# Allegro board CHIP_v1_0_20151123.brd (continued)
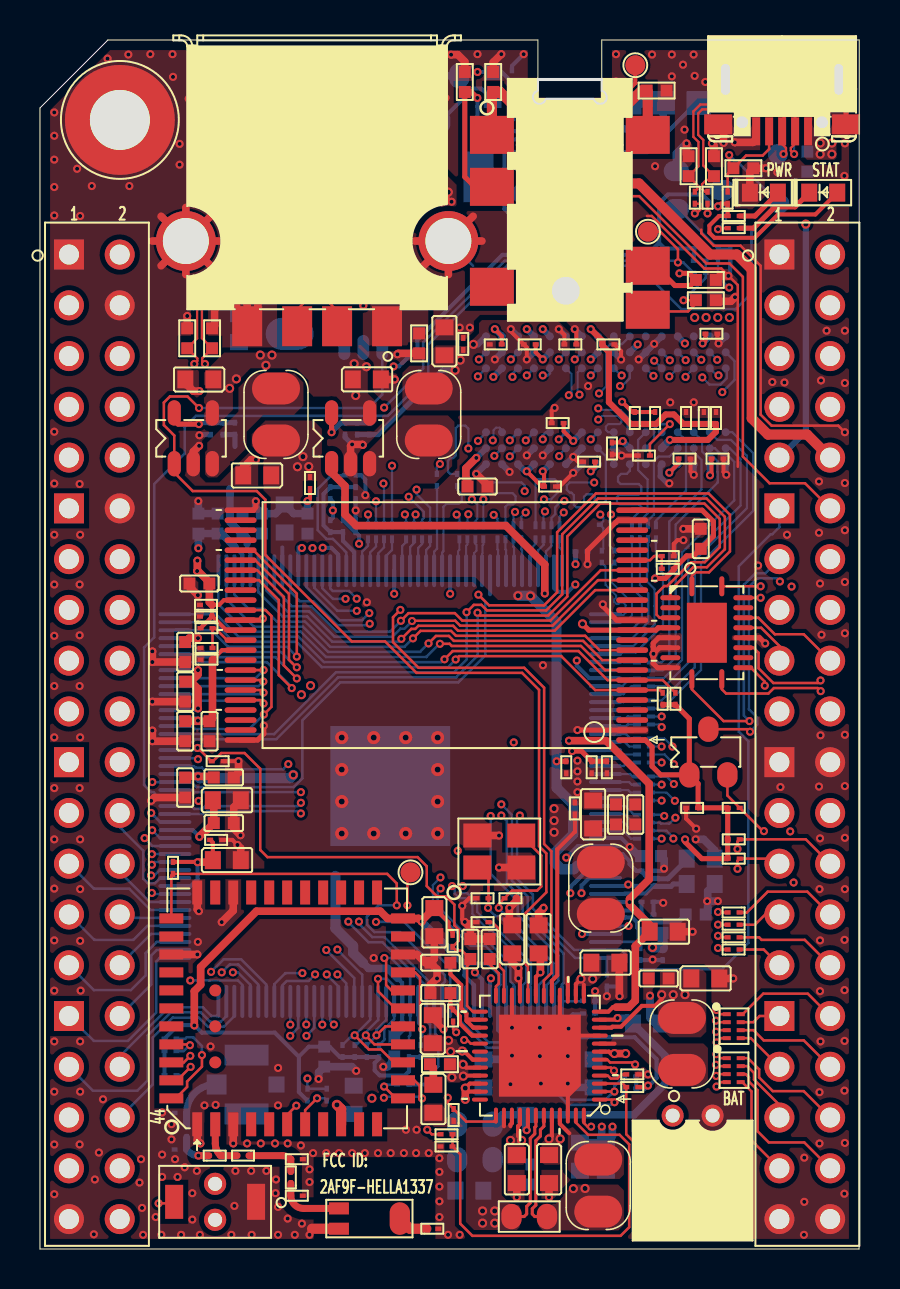
[diagram p0: board, top side]
## Routing (per net, layer and track width the routed paths; a pad name or vN(x,y) marks a point on that pad's centre or on a via; arc(x,y) is an arc through that point) (continued)
VBAT-EXT: length 6
  TOP w0.152: R7.2 24.77,1.63 24.64,1.75 24.64,2.02 24.82,2.2 24.82,5.42 25.05,5.65 25.05,5.97 25.22,6.14 U3.43
  vias: v2(26.7,3.02) v2(27.28,3.03)
VCC-1V8: length 46.9
  TOP w0.203: v1(25.05,13.84) 24.82,13.62 U3.19
  TOP w0.381: v1(25.05,13.84) 25.05,14.7 C76.1
  IN1 w0.381: v1(25.05,13.84) 24.59,14.3 24.59,24.47 v1(23.72,25.35)
  IN2 w0.381: v1(23.72,25.35) 23.72,28.69 23.7,28.7 23.7,28.78 21.14,31.34 21.14,31.34 20.83,31.65 18.39,34.09 17.94,34.09 15.24,36.78 15.24,37.11 14.38,37.97 5.88,37.97 5.47,38.38 3.23,38.38 2.65,38.96 2.65,40.21 1.45,41.4 U13.7
VCC-5V: length 10.6
  BOTTOM w0.254: R54.2 16.24,51.13 15.7,51.66 11.92,51.66 11.67,51.91 C77.1
  BOTTOM w0.508: v3(18.42,51.23) 18.17,50.98 v1(17.94,50.98) 17.94,51.21 17.63,51.51 17.63,52.35 18.9,53.62 C146.1
  vias: v2(9.61,52.3) v2(9.9,52.84) v2(10.19,52.3) v2(12.36,58.17) v2(12.95,58.17) v2(14.61,58.57) v2(15.19,58.57) v2(16.53,58.57)
VCC-WIFI: length 1.1
  TOP w0.508: U9.9 15.07,7 v2(14.86,7.21)
VINT: length 4.7
  TOP w0.203: 21.39,11.38 21.49,11.48 U3.26 ; 21.39,11.38 21.35,11.42 21.35,11.78 21.09,12.04 21.09,13.21 20.55,13.75 C24.1 ; 21.39,11.38 21.69,11.08 U3.27
A0: length 22.1
  IN2 w0.152: v1(31.12,24.34) 31.51,24.73 31.83,24.73 32.26,25.17 32.26,34.7 31.74,35.22 31.74,36.99 30.74,37.99 30.74,42.9 v1(31.5,43.66)
  BOTTOM w0.114: v1(31.5,43.66) 31.52,43.66 U29.N3 ; RN27.8 v1(31.12,24.34)
A1: length 14.3
  BOTTOM w0.114: RN25.6 31.17,28.95 31.82,29.6 31.82,36.25 33.93,38.35 33.93,38.87 33.91,38.89 33.91,39.42 33.65,39.68 33.37,39.68 33.14,39.91 33.14,40.45 U29.P7
A2: length 23
  IN2 w0.152: v1(31.12,23.24) 31.73,23.85 31.95,23.85 32.97,24.87 32.97,36.81 31.96,37.82 31.96,42.91 32.31,43.26 v1(32.31,43.64)
  BOTTOM w0.114: RN28.6 v1(31.12,23.24) ; U29.P3 32.31,43.66 v1(32.31,43.64)
A3: length 24.6
  IN2 w0.152: v1(32.32,44.48) 32.72,44.07 32.72,43.15 32.32,42.75 32.32,37.97 33.33,36.96 33.33,24.72 31.87,23.27 v1(31.73,23.27)
  BOTTOM w0.114: v1(31.73,23.27) 31.36,23.64 RN28.5
  BOTTOM w0.127: U29.N2 v1(32.32,44.48)
A4: length 12.2
  BOTTOM w0.114: RN25.5 31.12,29.35 31.5,29.73 31.5,36.4 33.11,38.01 33.11,39.48 32.73,39.87 U29.P8
A5: length 25.6
  IN2 w0.152: v1(33.1,44.49) 33.56,44.04 33.56,43.43 33.43,43.31 33.43,42.52 33.94,42.01 33.94,38.28 34.04,38.18 34.04,24.43 32.04,22.43 v1(31.78,22.43)
  BOTTOM w0.114: RN28.7 31.36,22.84 31.78,22.42 v1(31.78,22.43)
  BOTTOM w0.127: U29.P2 v1(33.1,44.49)
A6: length 14.4
  BOTTOM w0.114: U29.R8 33.78,40.07 34.17,39.68 34.45,39.68 34.75,39.39 34.75,37.46 32.14,34.84 32.14,29.47 31.22,28.55 RN25.7
A7: length 28.1
  IN2 w0.152: v1(31.7,20.54) 35.11,23.94 35.11,37.63 35.59,38.11 35.59,42.8 v1(33.9,44.49)
  BOTTOM w0.114: U29.R2 33.89,44.5 33.89,44.49 v1(33.9,44.49) ; v1(31.7,20.54) 31.73,20.56 31.36,20.93 RN29.7
A8: length 14.6
  BOTTOM w0.114: RN25.8 31.27,28.15 32.45,29.34 32.45,34.59 35.07,37.2 35.07,39.52 34.52,40.07 U29.T8
A9: length 25.7
  IN2 w0.152: v1(33.96,43.71) 33.96,43.38 33.74,43.15 33.74,42.7 34.88,41.55 34.88,38.4 34.4,37.92 34.4,24.28 32.14,22.02 31.6,22.02 v1(31.25,21.67)
  BOTTOM w0.114: v1(33.96,43.71) 33.88,43.71 U29.R3 ; RN29.5 31.18,21.73 v1(31.25,21.67)
A10: length 5.2
  BOTTOM w0.114: U29.L7 29.94,40.48 29.94,38.98 30.41,38.5 30.41,36.81 30.03,36.43 RN24.6
A11: length 16.9
  BOTTOM w0.114: RN26.5 31.12,27.45 32.77,29.1 32.77,34.45 35.39,37.07 35.39,39.69 34.59,40.48 33.91,40.48 U29.R7
A12: length 5.4
  BOTTOM w0.114: RN24.8 30.83,36.44 32.34,37.95 32.34,40.46 U29.N7
A13: length 25.3
  IN2 w0.152: v1(33.15,43.61) 33.13,43.59 33.13,37.79 33.69,37.24 33.69,24.58 31.97,22.86 31.54,22.86 v1(31.12,22.44)
  BOTTOM w0.114: U29.T3 34.38,44.02 34.38,43.57 34.07,43.26 33.51,43.26 v1(33.15,43.61) ; RN28.8 v1(31.12,22.44)
A14: length 17.1
  BOTTOM w0.114: U29.T7 34.66,40.87 35.7,39.82 35.7,36.94 33.09,34.32 33.09,28.97 31.17,27.05 RN26.6
AP-EINT1: length 36.5
  IN2 w0.127: U14.23 36.58,21.82 35.31,20.55 35.31,18.77 35.17,18.63 30.78,18.63 30.28,19.14 26.53,19.14 25.74,18.35 22.25,18.35 21.09,19.51 20.67,19.51 13.95,19.51 13.47,19.99 13.47,22.48 13.09,22.86 v1(13.06,22.86)
  BOTTOM w0.127: v1(13.06,22.86) 7.72,22.86 7.61,22.96 U1.154
AP-EINT2: length 66.8
  TOP w0.127: U27.1 32.63,33.69 32.8,33.86 33.49,33.86 34.54,34.91 34.54,36.74 33.47,37.81 27.83,37.81 25.89,35.87 25.89,32.86 25.23,32.21 22.48,32.21 v1(21.95,32.74)
  IN1 w0.127: v1(5.63,23.36) 5.59,23.36 5.17,22.95 5.17,21.66 5.4,21.42 5.71,21.42 6.25,20.88 6.25,19.34 7.44,18.16 7.86,18.16 12.94,13.09 12.94,8.99 v1(13.39,8.53)
  BOTTOM w0.127: R63.2 R87.1 v1(13.39,8.53) ; v1(21.95,32.74) 22.3,32.39 22.3,29.71 20.94,28.35 15.03,28.35 13.14,26.46 13.14,23.55 12.7,23.11 7.82,23.11 7.57,23.36 U1.155 v1(5.63,23.36)
AP-EINT3: length 61.7
  IN1 w0.127: U14.24 38.56,20.83 38.56,6.27 37.37,5.08 36.58,5.08 35.74,4.24 21.87,4.24 20.56,5.55 18.15,5.55 17.22,6.49 v1(17.22,7.57) 16.82,7.97 16.82,8.61 15.24,10.19 15.24,11.25 14.83,11.67 14.71,11.67 7.97,18.41 7.54,18.41 6.51,19.45 6.51,20.98 5.67,21.82 v1(5.57,21.82)
  BOTTOM w0.127: v1(17.22,7.57) 17.27,7.62 R62.2 ; v1(5.57,21.82) 5.74,21.65 6.02,21.36 U1.150
AP-UART1-CTS: length 29.7
  TOP w0.127: v1(7.51,10.2) 7.47,10.24 U9.41
  IN2 w0.127: v1(7.51,10.2) 7.68,10.2 10.81,13.33 10.81,24.72 14.74,28.65 14.74,31.97 v1(15.3,32.53)
  BOTTOM w0.127: U1.14 14.13,33.07 14.67,32.53 v1(15.3,32.53) ; v1(7.51,10.2) 7.48,10.2 7.19,9.91 R58.2
AP-UART1-RTS: length 33.3
  TOP w0.127: U9.44 6.79,7.54 7.37,8.11 7.37,8.38 8.11,9.12 v1(8.11,9.7)
  IN2 w0.127: v1(8.11,9.7) 8.11,10.26 11.07,13.22 11.07,24.62 14.99,28.54 14.99,31.66 15.86,32.53 v1(15.86,32.54)
  BOTTOM w0.127: U1.15 14.53,33.05 14.65,32.92 15.47,32.92 v1(15.86,32.54) ; R59.2 7.27,10.52 7.35,10.59 7.67,10.59 8.11,10.16 v1(8.11,9.7)
AP-UART1-RX: length 32
  TOP w0.127: U9.42 7.2,9.34 v1(7.53,9.66)
  IN2 w0.127: v1(15.86,31.93) 15.24,31.32 15.24,28.44 11.33,24.53 11.33,12.37 8.27,9.31 7.94,9.31 7.59,9.66 v1(7.53,9.66)
  BOTTOM w0.127: v1(7.53,9.66) 7.16,9.3 R55.2 ; v1(15.86,31.93) 14.88,31.93 13.73,33.09 U1.13
AP-UART1-TX: length 33.9
  TOP w0.127: U9.43 6.87,8.44 v1(7.54,9.12)
  IN2 w0.127: v1(7.54,9.12) 7.6,9.06 8.38,9.06 11.59,12.27 11.59,24.42 15.5,28.33 15.5,30.84 16.48,31.82 v1(16.48,31.82)
  BOTTOM w0.127: U1.12 13.33,33.13 14.99,31.46 16.13,31.46 16.34,31.68 16.35,31.68 v1(16.48,31.82) ; R56.2 7.11,8.69 v1(7.54,9.12)
AP-WAKE-BT: length 25.5
  TOP w0.127: U3.3 29.17,8.28 R11.1 29.35,5.74 29.9,5.19 v1(29.9,3.84) ; U9.6 12.37,6.72 v1(12.83,7.17)
  IN1 w0.127: v1(12.83,7.17) 13.22,6.78 16.56,6.78 18.05,5.3 20.46,5.3 21.76,3.99 29.75,3.99 v1(29.9,3.84)
BA0: length 23.7
  IN2 w0.152: v1(31.73,24.26) 31.86,24.26 32.62,25.02 32.62,36.62 31.09,38.14 31.09,42.62 31.91,43.43 31.91,44.09 v1(31.53,44.47)
  BOTTOM w0.114: v1(31.73,24.26) 31.73,24.28 31.26,24.74 RN27.7
  BOTTOM w0.127: U29.M2 v1(31.53,44.47)
BA1: length 4.8
  BOTTOM w0.114: U29.N8 31.51,39.65 30.97,39.65 30.73,39.42 30.73,36.75 30.43,36.45 RN24.7
BA2: length 21.5
  IN2 w0.152: v1(31.12,25.14) 31.12,25.32 31.55,25.76 31.55,34.04 30.84,34.75 30.84,36.89 30,37.73 30,43.71 v1(30.74,44.45)
  BOTTOM w0.114: RN27.6 v1(31.12,25.14) ; U29.M3 v1(30.74,44.45)
BAT: length 16.3
  TOP w0.152: U3.42 24.82,6.15 24.77,6.09 24.77,5.77 24.54,5.54 24.54,2.31 24.36,2.13 24.36,1.75 24.24,1.63 R7.1
  TOP w0.203: U3.38 23.22,6.14 ; U3.39 23.62,6.3 23.55,6.23 23.55,6.15
  IN2 w0.508: v2(22.15,1.91) 22.15,3.23 19.99,5.38 17.76,5.38 16.62,6.53 v2(16.62,7.54)
  vias: v2(22.15,1.3) v2(22.76,1.91) v2(22.76,1.3)
BT-RST-N: length 23.2
  TOP w0.127: v1(17.86,17.2) 17.86,18.29 17.38,18.77 R65.1 6.58,18.69 U9.34
  BOTTOM w0.127: U1.104 20.13,13.24 20.27,13.38 20.27,13.7 19.9,14.07 19.8,14.07 18.02,15.86 16.74,15.86 16.36,16.24 16.36,16.63 16.93,17.2 v1(17.86,17.2)
CAS: length 20
  IN2 w0.152: v1(31.12,26.11) 31.08,26.11 30.28,26.91 30.28,32.84 30,33.12 30,36.72 28.71,38.02 28.71,42.86 v1(29.03,43.18)
  BOTTOM w0.114: v1(29.03,43.18) 29.14,43.18 29.53,43.57 U29.K3 ; RN26.8 30.99,26.25 v1(31.12,26.11)
CHG-IN: length 1.8
  TOP w0.203: U3.32 21.34,9.08 v2(21.18,9.24) ; v2(21.19,8.65) 21.22,8.68 U3.33
  vias: v2(20.62,8.59)
CKE: length 6.8
  BOTTOM w0.114: RN24.5 29.63,36.53 30.1,36.99 30.1,37.13 29.97,37.26 29.01,37.26 28.88,37.39 28.88,37.62 29.01,37.74 29.97,37.74 30.1,37.87 30.1,38.15 29.97,38.28 29.06,38.28 28.94,38.4 28.94,38.63 29.09,38.79 29.37,38.79 29.53,38.94 U29.K9
COREVDD: length 34.8
  TOP w0.203: C20.1 26.78,20.88 25.89,19.99 25.89,13.69 25.62,13.42 U3.17
  TOP w0.381: C149.1 8.7,22.41 C296.1 8.37,20.98 8.31,20.98 7.98,20.64 v1(7.98,20.62)
  IN1 w0.381: v1(20.91,19.93) 21.9,18.94 21.9,15.77 22.57,15.09 v1(22.57,13.55)
  BOTTOM w0.203: U1.98 22.53,13.48 22.57,13.53 v1(22.57,13.55) ; v1(29.52,20.12) 29.52,20.14 29.1,20.56 U1.73 ; 22.53,32.76 U1.35 ; v1(7.98,20.62) 7.64,20.96 U1.149 ; 18.13,11.28 U1.109 18.13,13.32 17.91,13.54
  BOTTOM w0.381: v1(29.52,20.12) 29.98,19.66 C154.1 ; 16.17,14.31 16.44,14.04 17.41,14.04 17.91,13.54 ; C150.1 18.13,11.03 18.13,11.28
  BOTTOM w0.508: 14.79,18.67 14.79,16.05 15.68,15.16 15.68,14.81 16.17,14.31
  vias: v2(25.73,22.04) v2(25.73,21.44) v2(25.73,20.85)
CPUVDD: length 26.4
  TOP w0.203: U3.10 28.61,11.08 28.66,11.13 29.09,11.13 30.13,12.17 30.79,12.17 31.12,12.5 v2(31.12,12.73)
  TOP w0.381: v1(7.91,27.05) 7.91,28.03 7.56,28.39 ; C185.1 8.65,23.65 v1(7.92,23.65) 7.33,23.65 C184.1 ; C181.1 7.56,28.39 ; 7.56,28.39 7.91,28.74 v1(7.91,28.96) ; v1(7.91,30.56) 7.46,30.56 C183.1
  BOTTOM w0.203: U1.156 7.8,23.76 v1(7.92,23.65) ; U1.169 v1(7.91,28.96) ; U1.173 v1(7.91,30.56) ; U1.164 7.82,26.96 v1(7.91,27.05) ; 9.78,35.1 10.13,34.76 U1.4 ; U1.11 12.93,35.1 ; v1(14.15,35.09) 14.58,35.09 14.93,34.74 U1.16 ; U1.9 12.13,35.1
  BOTTOM w0.381: v1(7.93,35.06) C186.1 C179.1 9.09,35.8 9.78,35.1
  BOTTOM w0.508: v1(7.92,23.65) 8.01,23.56 12.51,23.56 v2(12.68,23.72)
  vias: v1(13.11,35.08) v1(13.64,35.07) v2(13.09,27.74) v2(13.54,28.19) v2(31.7,12.72) v2(32.29,12.73)
CSI-D0: length 22.2
  TOP w0.127: v1(33.84,11.43) 33.91,11.35 RN1.2
  IN2 w0.127: v1(14.71,11.23) 15.08,11.6 17.17,11.6 18.2,12.62 26.69,12.62 28.16,11.16 33.57,11.16 v1(33.84,11.43)
  BOTTOM w0.127: v1(14.71,11.23) 14.53,11.41 U1.118
CSI-D1: length 22.6
  TOP w0.127: RN1.1 34.07,11.75 v1(33.86,11.96)
  IN2 w0.127: v1(33.86,11.96) 33.85,11.95 27.73,11.95 26.8,12.88 18.1,12.88 17.07,11.85 14.75,11.85 v1(14.13,11.23)
  BOTTOM w0.127: U1.119 v1(14.13,11.23)
CSI-D2: length 24.4
  TOP w0.127: v1(33.87,10.34) 34.08,10.55 RN1.4
  IN2 w0.127: v1(13.34,10.67) 13.43,10.58 14.98,10.58 15.49,11.09 17.38,11.09 18.41,12.12 26.48,12.12 27.98,10.62 33.54,10.62 33.82,10.34 v1(33.87,10.34)
  BOTTOM w0.127: v1(13.34,10.67) 13.73,11.06 U1.120
CSI-D3: length 23.7
  TOP w0.127: v1(33.85,10.87) 33.93,10.95 RN1.3
  IN2 w0.127: v1(33.85,10.87) 28.09,10.87 26.59,12.37 18.31,12.37 17.28,11.34 15.38,11.34 14.87,10.83 13.73,10.83 v1(13.33,11.23)
  BOTTOM w0.127: U1.121 v1(13.33,11.23)
CSI-D4: length 31.2
  TOP w0.127: v1(33.84,9.22) 33.9,9.15 RN2.2
  IN2 w0.127: v1(12.53,10.67) 12.14,11.06 12.14,11.39 13.1,12.36 16.86,12.36 18.95,14.45 26.13,14.45 26.39,14.19 28.39,14.19 29.25,13.33 33.41,13.33 34.51,12.23 34.51,9.85 33.88,9.22 v1(33.84,9.22)
  BOTTOM w0.127: v1(12.53,10.67) 12.69,10.83 12.69,10.83 12.93,11.07 U1.122
CSI-D5: length 27.4
  TOP w0.127: RN2.1 34.05,9.55 v1(33.85,9.75)
  IN2 w0.127: v1(12.53,11.23) 13.41,12.1 16.96,12.1 17.99,13.13 26.91,13.13 27.83,12.2 33.34,12.2 33.51,12.37 34.01,12.37 34.26,12.12 34.26,10.16 v1(33.85,9.75)
  BOTTOM w0.127: U1.123 v1(12.53,11.23)
CSI-D6: length 31.3
  TOP w0.127: v1(33.87,8.13) 34.09,8.35 RN2.4
  IN2 w0.127: v1(13.77,13.74) 14.17,13.35 15.05,13.35 15.33,13.63 15.33,13.75 16.54,14.96 26.34,14.96 26.6,14.69 28.6,14.69 29.46,13.84 33.62,13.84 35.02,12.44 35.02,9.28 34.24,8.5 34.24,8.5 33.87,8.13 v1(33.87,8.13)
  BOTTOM w0.127: v1(13.77,13.74) 13.44,13.41 12.35,13.41 12.13,13.19 U1.124
CSI-D7: length 31.1
  TOP w0.127: v1(33.85,8.66) 33.94,8.75 RN2.3
  IN2 w0.127: v1(33.85,8.66) 34.77,9.58 34.77,12.33 33.52,13.58 29.36,13.58 28.5,14.44 26.49,14.44 26.23,14.7 18.84,14.7 16.75,12.61 14.33,12.61 v1(13.14,13.8)
  BOTTOM w0.127: U1.125 11.73,13.25 12.29,13.8 v1(13.14,13.8)
CSI-HSYNC: length 22.6
  TOP w0.127: R40.1 34.02,14.99 v1(33.94,15.06)
  IN2 w0.127: v1(14.89,13.74) 16.36,15.21 26.44,15.21 26.7,14.95 28.71,14.95 29.57,14.09 32.97,14.09 v1(33.94,15.06)
  BOTTOM w0.127: U1.116 15.33,13.3 v1(14.89,13.74)
CSI-MCLK: length 24.6
  TOP w0.127: v1(33.94,16.87) 33.96,16.84 R43.2
  IN2 w0.127: v1(33.94,16.87) 31.92,16.87 31.73,16.68 22.26,16.68 22.16,16.78 15.27,16.78 14.33,15.83 v1(14.33,14.96)
  BOTTOM w0.127: v1(14.33,14.96) 15.73,13.56 U1.115
CSI-PCLK: length 23.5
  TOP w0.127: v1(33.94,16.23) 33.94,16.23 R41.1
  IN2 w0.127: v1(14.89,14.99) 15.88,15.97 26.57,15.97 26.76,16.16 28.78,16.16 29.16,15.77 29.94,15.77 30.34,16.17 31.94,16.17 32.04,16.27 33.9,16.27 v1(33.94,16.23)
  BOTTOM w0.127: U1.114 16.13,13.73 14.89,14.97 v1(14.89,14.99)
CSI-VSYNC: length 22.7
  TOP w0.127: R39.1 34.02,15.6 v1(33.94,15.67)
  IN2 w0.127: v1(14.36,13.74) 14.36,13.77 14.74,14.15 14.82,14.15 16.14,15.46 26.55,15.46 26.75,15.26 30.15,15.26 30.37,15.48 30.41,15.52 31.74,15.52 31.78,15.48 33.75,15.48 v1(33.94,15.67)
  BOTTOM w0.127: v1(14.36,13.74) 14.36,13.72 14.93,13.14 U1.117
CSICK: length 5.4
  TOP w0.127: R43.1 35.39,16.84 36.43,17.88 38.41,17.88 U14.28
CSID0: length 2.1
  TOP w0.127: RN1.7 35.71,11.35 36.02,11.66 U14.31
CSID1: length 5.4
  TOP w0.127: RN1.8 35.18,11.75 36.2,12.78 38.43,12.78 U14.32
CSID2: length 2.5
  TOP w0.127: U14.33 35.58,10.55 RN1.5
CSID3: length 5.2
  TOP w0.127: U14.34 38.23,10.44 36.22,10.44 35.71,10.95 RN1.6
CSID4: length 3.6
  TOP w0.127: RN2.7 35.4,9.15 35.74,8.81 35.74,8.48 37.01,7.21 U14.35
CSID5: length 5.9
  TOP w0.127: U14.36 38.23,7.9 36.68,7.9 36,8.59 36,8.99 35.44,9.55 RN2.8
CSID6: length 5.2
  TOP w0.127: U14.37 35.62,5.44 35.62,7.89 35.15,8.35 RN2.5
CSID7: length 7.8
  TOP w0.127: RN2.6 35.32,8.75 35.49,8.59 35.49,8.37 35.92,7.94 35.92,5.89 36.48,5.33 38.26,5.33 U14.38
CSIHSYNC: length 2.3
  TOP w0.127: U14.29 36.22,14.99 R40.2
CSIPCK: length 2.2
  TOP w0.127: R41.2 35.79,16.23 36.3,16.74 U14.27
CSIVSYNC: length 5.1
  TOP w0.127: U14.30 38.28,15.47 36.12,15.47 36,15.6 R39.2
DM0: length 77.8
  TOP w0.114: R84.2 33.06,52.3 33.12,52.24 33.12,52.07 32.87,51.82 v1(32.78,51.82)
  IN1 w0.14: v1(21.16,18.16) 21.01,18.31 21.01,18.89 19.98,19.93 14.09,19.93 11.46,22.55 11.46,25.14 11.24,25.36 10.6,26.01 10.6,30.7 8.73,32.57 8.73,43.04 11.59,45.9 11.59,50.76 17.11,56.27 17.77,56.93 23.77,56.93 24.57,56.13 29.57,56.13 33.01,52.69 33.01,51.92 32.91,51.82 v1(32.78,51.82)
  BOTTOM w0.114: v1(21.16,18.16) 21,18 21,17.89 21.09,17.8 21.4,17.8 21.89,17.31 21.89,16.87 22.59,16.16 22.74,16.16 24.58,14.32 24.58,13.26 24.53,13.22 U1.93
DM1: length 55.8
  TOP w0.114: J5.2 14.87,46.96 14.29,47.54 14.29,47.9 13.71,48.49 8.93,48.49 7.87,47.42 7.87,45.56 ESD15.1 7.88,44.56 7.88,44.44 v1(7.73,44.29)
  IN1 w0.14: v1(20.05,18.04) 19.92,18.17 19.6,18.17 18.92,18.86 13.66,18.86 10.36,22.17 10.36,24.68 9.54,25.49 9.54,30.12 6.98,32.68 6.98,43.06 7.86,43.94 7.86,44.15 v1(7.73,44.29)
  BOTTOM w0.114: U1.95 23.73,13.21 23.55,13.39 23.55,14.26 22.41,15.41 21.66,15.41 19.91,17.16 19.91,17.89 v1(20.05,18.04)
DP0: length 78.1
  TOP w0.114: R85.2 v1(33.41,51.82)
  IN1 w0.14: v1(20.63,18.16) 20.74,18.28 20.74,18.78 19.87,19.66 13.97,19.66 11.19,22.44 11.19,25.03 11.05,25.17 10.33,25.9 10.33,30.59 8.46,32.46 8.46,43.15 11.33,46.01 11.33,50.87 17,56.54 17.65,57.19 23.88,57.19 24.68,56.4 29.68,56.4 33.28,52.8 33.28,51.95 v1(33.41,51.82)
  BOTTOM w0.114: v1(20.63,18.16) 20.76,18.03 20.76,17.79 20.99,17.56 21.3,17.56 21.65,17.21 21.65,16.77 22.49,15.92 22.64,15.92 24.34,14.22 24.34,13.36 24.13,13.16 U1.94
DP1: length 55.8
  TOP w0.114: v1(8.26,44.29) 8.2,44.29 8.12,44.36 8.12,44.57 ESD18.1 8.11,45.58 8.11,47.32 9.03,48.25 13.61,48.25 14.05,47.8 14.05,47.55 13.9,47.4 13.26,47.4 12.87,47.01 J5.3
  IN1 w0.14: v1(8.26,44.29) 8.13,44.15 8.13,43.83 7.24,42.95 7.24,32.79 9.81,30.23 9.81,25.6 10.62,24.79 10.62,22.28 13.77,19.13 19.03,19.13 19.71,18.44 19.89,18.44 v1(20.05,18.59)
  BOTTOM w0.114: v1(20.05,18.59) 19.66,18.21 19.66,17.06 21.56,15.16 22.31,15.16 23.31,14.16 23.31,13.29 23.33,13.26 U1.96
DQ0: length 13.8
  IN1 w0.152: v1(25.17,43.71) 25.17,43.59 24.81,43.23 20.64,43.23 18.09,40.68 18.09,39.58 17.7,39.19 v1(17.62,39.19)
  BOTTOM w0.114: v1(17.62,39.19) RN21.8
  BOTTOM w0.127: v1(25.17,43.71) 25.42,43.71 25.53,43.81 U29.E3
DQ1: length 14.2
  IN1 w0.152: v1(25.23,37.51) 25,37.29 22.76,37.29 22.61,37.44 22.61,38.18 22.76,38.33 25.42,38.33 25.57,38.48 25.57,40.36 25.73,40.51 v1(25.97,40.51)
  BOTTOM w0.114: RN20.5 24.8,38.41 24.92,38.52 25.76,38.52 25.91,38.37 25.91,37.85 25.58,37.51 v1(25.23,37.51)
  BOTTOM w0.127: U29.F7 v1(25.97,40.51)
DQ2: length 15
  IN1 w0.152: v1(25.97,44.51) 25.97,43.89 24.95,42.88 20.79,42.88 18.44,40.53 18.44,39.43 17.32,38.3 v1(17.19,38.3)
  BOTTOM w0.114: RN21.7 17.22,38.33 v1(17.19,38.3)
  BOTTOM w0.127: U29.F2 v1(25.97,44.51)
DQ3: length 13.8
  IN1 w0.152: v1(25.28,36.91) 25.13,36.91 25,36.78 25,36.5 24.87,36.37 24.01,36.37 23.88,36.25 23.88,35.89 24.01,35.76 24.9,35.76 25.02,35.64 25.02,35.18 24.9,35.05 24.11,35.05 23.98,34.92 23.98,34.54 24.11,34.42 25.66,34.42 25.79,34.54 25.79,37.85 25.94,38 25.94,39.62 v1(25.99,39.67)
  BOTTOM w0.114: v1(25.99,39.67) 25.99,39.73 U29.F8 ; v1(25.28,36.91) 25.2,36.83 RN20.6
DQ4: length 15.7
  IN1 w0.152: v1(27.57,43.71) 26.79,43.71 25.25,42.16 21.09,42.16 19.16,40.23 19.16,39.14 16.77,36.75 v1(16.42,36.75)
  BOTTOM w0.114: RN21.5 v1(16.42,36.75)
  BOTTOM w0.127: U29.H3 v1(27.57,43.71)
DQ5: length 15.6
  IN1 w0.152: v1(26.22,36.86) 26.22,34.89 26.34,34.77 27.44,34.77 27.59,34.92 27.59,38.2 v1(27.74,38.35)
  BOTTOM w0.114: v1(27.74,38.35) 26.52,38.35 26.37,38.21 26.37,37.99 26.52,37.85 26.6,37.85 26.73,37.72 26.73,37.24 26.85,37.11 27.11,37.11 27.23,37.24 27.23,37.64 27.36,37.77 27.64,37.77 27.77,37.64 27.77,37.44 27.89,37.31 28.2,37.31 28.33,37.44 28.33,39.67 U29.H8 ; v1(26.22,36.86) 26,36.64 RN20.8
DQ6: length 15.4
  IN1 w0.152: v1(16.82,37.41) 16.93,37.41 18.8,39.28 18.8,40.38 20.94,42.52 25.1,42.52 26.77,44.19 v1(26.77,44.51)
  BOTTOM w0.114: RN21.6 v1(16.82,37.41)
  BOTTOM w0.127: U29.G2 v1(26.77,44.51)
DQ7: length 14.3
  IN1 w0.152: v1(27.57,40.51) 27.57,40.77 27.42,40.92 27.26,40.92 27.13,40.79 27.13,40.08 27.26,39.95 27.77,39.95 27.92,39.8 27.92,39.5 27.77,39.34 27.26,39.34 27.13,39.22 27.13,38.51 27.05,38.43 26.46,38.43 26.31,38.28 26.31,38.07 26.47,37.92 27.08,37.92 27.23,37.77 27.23,35.27 27.09,35.13 26.75,35.13 26.62,35.26 26.62,37.31 26.5,37.44 v1(26.25,37.44)
  BOTTOM w0.114: v1(26.25,37.44) 26.11,37.44 25.79,37.12 25.79,36.77 25.6,36.58 RN20.7
  BOTTOM w0.127: U29.H7 v1(27.57,40.51)
DQ8: length 10.2
  IN2 w0.152: v1(24.32,40.46) 23.93,40.07 23.93,38.71 24.14,38.51 24.79,38.51 24.95,38.35 24.95,38.1 24.77,37.92 v1(24.26,37.92)
  BOTTOM w0.114: RN22.6 23.3,37.13 23.43,37.26 23.68,37.26 23.8,37.39 23.8,37.67 23.65,37.82 22.69,37.82 22.53,37.97 22.53,38.2 22.69,38.35 24.11,38.35 24.26,38.2 v1(24.26,37.92)
  BOTTOM w0.127: U29.D7 v1(24.32,40.46)
DQ9: length 10.6
  IN2 w0.152: v1(18.8,36.75) 19.61,37.57 19.61,40.46 21.5,42.34 22.5,42.34 23.65,43.5 v1(23.65,43.64)
  BOTTOM w0.114: RN23.6 18.73,36.68 v1(18.8,36.75)
  BOTTOM w0.127: U29.C3 23.65,43.8 v1(23.65,43.64)
DQ10: length 10.7
  IN2 w0.152: v1(23.52,39.66) 23.31,39.66 23.1,39.45 23.1,38.7 23.68,38.12 23.68,37.67 23.83,37.52 24.67,37.52 24.79,37.39 24.79,34.72 24.64,34.57 24.31,34.57 24.16,34.72 24.16,36.7 v1(24.31,36.86)
  BOTTOM w0.114: RN22.8 24.1,36.64 v1(24.31,36.86)
  BOTTOM w0.127: U29.C8 v1(23.52,39.66)
DQ11: length 11.6
  IN2 w0.152: v1(23.57,44.51) 23.25,44.19 23.25,43.59 22.35,42.7 21.35,42.7 19.26,40.6 19.26,40.31 19.26,37.79 18.27,36.8 v1(18.27,36.75)
  BOTTOM w0.114: RN23.5 18.33,36.69 v1(18.27,36.75)
  BOTTOM w0.127: U29.C2 v1(23.57,44.51)
DQ12: length 10.5
  IN2 w0.152: v1(22.71,36.73) 22.76,36.68 22.76,34.62 22.64,34.49 22.25,34.49 22.13,34.62 22.13,36.83 22.76,37.46 22.76,38.03 22.25,38.55 22.25,40.11 v1(21.92,40.44)
  BOTTOM w0.114: v1(21.92,40.44) 21.92,40.44 22.33,40.84 U29.A7 ; v1(22.71,36.73) 22.9,36.55 RN22.5
DQ13: length 10.6
  IN2 w0.152: v1(21.97,44.51) 21.97,44.32 18.42,40.77 18.42,37.68 v1(18.46,37.64)
  BOTTOM w0.114: RN23.7 19.13,36.5 19.21,36.58 19.21,36.9 18.46,37.64 v1(18.46,37.64)
  BOTTOM w0.127: U29.A2 v1(21.97,44.51)
DQ14: length 10.2
  IN2 w0.152: v1(22.74,39.69) 22.74,39.69 22.6,39.55 22.6,38.7 23.14,38.16 23.14,34.34 23.27,34.21 23.65,34.21 23.78,34.34 v1(23.78,36.88)
  BOTTOM w0.114: v1(23.78,36.88) 23.7,36.8 RN22.7
  BOTTOM w0.127: U29.B8 v1(22.74,39.69)
DQ15: length 10.5
  IN2 w0.152: v1(18.85,38) 18.85,40.7 21.2,43.05 22.08,43.05 22.23,43.21 22.23,43.56 22.13,43.66 v1(21.92,43.66)
  BOTTOM w0.114: RN23.8 19.53,37.09 18.85,37.77 v1(18.85,38) ; v1(21.92,43.66) U29.A3
DRAM-REF: length 14.2
  TOP w0.305: v1(31.53,40.48) 33.43,40.48 33.84,40.89 C95.1 C83.2 R90.2 32.21,41.28 31.73,41.76 31.32,41.76 30.84,41.28 R416.1 C81.1 29.57,41.28 28.48,42.37 28.48,44.88 28.15,45.21 C96.1 28.15,45.44 v1(27.57,46.03)
  BOTTOM w0.254: U29.H1 v1(27.57,46.03)
  BOTTOM w0.381: v1(31.53,40.48) 31.13,40.08 U29.M8
DRAM-VCC: length 42.3
  TOP w0.203: v1(25.17,38.91) 25.23,38.85 C93.1 25.13,38.15 v1(24.37,38.91) ; v1(31.5,38.84) 31.96,39.31 C104.1 ; C106.1 33.31,45.45 v1(33.17,45.31) ; v1(25.97,46.03) 26.25,45.75 C91.1 ; v1(27.57,38.91) 27.79,39.13 C105.1 ; v1(26.69,40.44) 26.21,40.92 C92.1 ; v1(24.37,44.51) 24.37,45.11 C102.1 23.57,45.91 v1(23.57,46.03) ; v1(29.14,42.39) 29.65,41.88 C81.2 R416.2 ; C103.1 33.61,38.79 v1(33.54,38.71) ; C94.1 29.1,40.36 v1(29.17,40.43)
  TOP w0.254: v1(26.64,24.91) 27.1,24.91 C298.2 C36.2
  TOP w0.381: C142.2 21.4,38.49 21.32,38.57 21.32,39.06 v1(21.84,39.58)
  BOTTOM w0.203: v1(15.97,35.29) 15.97,35.7 C34.2 15.77,35.87 R89.2 C82.1 ; U1.53 27.5,28.56 26.87,29.19 v1(26.87,29.45) ; U1.43 25.73,33.08 25.92,32.89 26.43,32.89 v1(26.8,33.25) ; U1.30 v1(20.53,32.78) ; v1(26.64,24.91) 26.69,24.96 U1.62 ; U1.23 v1(17.73,32.78)
  BOTTOM w0.254: U29.N9 v1(31.5,38.84) ; v2(20.78,43.97) 20.14,43.97 16.92,40.75 R15.2 C73.1 ; C33.2 v1(26.81,34.26)
  BOTTOM w0.305: U29.R9 33.53,38.84 33.54,38.83 v1(33.54,38.71) ; U29.F1 v1(25.97,46.03) ; U29.K8 v1(29.17,40.43) ; U29.B2 v1(22.77,44.51) ; U29.C9 24.28,38.91 v1(24.37,38.91) U29.D9 ; U29.G7 v1(26.69,40.44) ; U29.R1 v1(33.17,45.31) ; U29.D2 v1(24.37,44.51) ; U29.K2 v1(29.92,45.26) ; U29.A8 v1(21.84,39.58) ; U29.N1 v1(32.28,45.31) ; U29.A1 21.92,45.26 v2(21.7,45.26) ; U29.H2 v1(27.57,44.51) ; U29.E9 v1(25.17,38.91) ; U29.C1 v1(23.57,46.03) ; U29.H9 v1(27.57,38.91)
  vias: v2(21.04,44.48)
DSCK: length 11.6
  IN1 w0.102: v1(28.05,36.75) 28.17,36.88 28.17,37.46 28.46,37.74 28.94,37.74 29.09,37.9 29.09,38.18 28.94,38.33 28.59,38.33 28.33,38.59 28.33,41.66 28.27,41.71 28.15,41.71 v1(27.94,41.5)
  BOTTOM w0.102: R422.1 28.2,35.02 28.2,36.07 C109.2 28.2,36.42 28.2,36.6 v1(28.05,36.75) ; v1(27.94,41.5) 28.12,41.68 28.94,41.68 29.1,41.52 29.1,41.36 29.01,41.27 28.44,41.27 28.33,41.16 28.33,40.99 28.44,40.87 U29.J7
DSCK-N: length 11.5
  IN1 w0.102: v1(27.94,42.06) 28.07,41.94 28.37,41.94 28.55,41.75 28.55,38.68 28.68,38.56 29.03,38.56 29.32,38.27 29.32,37.8 29.03,37.52 28.55,37.52 28.4,37.36 28.4,36.93 v1(28.58,36.75)
  BOTTOM w0.102: U29.K7 29.41,40.99 29.41,41.64 29.06,41.99 28.02,41.99 v1(27.94,42.06) ; v1(28.58,36.75) 28.5,36.68 28.5,36.37 C109.1 28.5,36.12 28.5,35.2 R68.1
EARCON: length 13.9
  TOP w0.508: 22.62,55.66 J11.1 22.62,57.83 ESD37.2 23.03,57.89 24.97,55.96 25.82,55.96 v2(26.12,55.66)
  BOTTOM w0.381: v2(26.12,55.66) 26.5,56.05 30.73,56.05 31.2,56.51 TP9.1 30.1,57.3
EARMIC: length 6.4
  BOTTOM w0.203: TP8.1 32.57,56.87 32.39,56.87 30.4,54.88 C294.1 C54.2 R192.2
EXTEN: length 58
  TOP w0.127: U3.20 24.42,14.15 24.32,14.25 24.32,16.82 25.35,17.85 25.35,19.79 24.98,20.16 24.98,27.98 24.13,28.83 18.85,28.83 17.27,30.4 15.6,30.4 11.28,34.73 11.28,37.49 10.85,37.92 7.65,37.92 6.72,38.85 U12.1 6.72,40.7 6.2,41.22 6.2,42.35 6.51,42.66 7.38,42.66 v1(7.96,42.08)
  BOTTOM w0.127: U11.4 17.13,42.76 16.46,42.08 v1(7.96,42.08)
FEL: length 61.6
  IN1 w0.127: v1(37.72,18.34) 38.05,18.67 38.05,21.04 38.23,21.22 38.23,40.92 U14.7
  IN2 w0.127: v1(37.72,18.34) 37.21,17.83 29.18,17.83 28.77,17.41 26.01,17.41 25.84,17.59 19.93,17.59 18.85,18.67 13.67,18.67 12.26,20.08 12.26,24.09 v1(12.43,24.26)
  BOTTOM w0.127: v1(12.43,24.26) 12.17,24 8.2,24 8.11,24.09 7.77,24.09 7.7,24.16 U1.157
HPBP: length 5.1
  BOTTOM w0.203: U1.75 29.16,19.76 29.51,19.42 29.51,19.27 29.85,18.92 C297.2
  BOTTOM w0.254: C297.2 30.11,18.9 30.46,18.55 30.95,18.55 30.97,18.52 31.43,18.52 32.38,19.47 C177.2
HPCOM: length 84.8
  IN1 w0.381: v1(26.55,17.81) 26.55,18 26.88,18.33 26.88,21.3 27.75,22.17 27.75,26.32 27.26,26.82 17.25,26.82 9.96,34.12 9.96,41.14 12.9,44.08 12.9,50.13 18.43,55.66 22.76,55.66 23.95,54.47 29.21,54.47 31.55,52.13 31.55,51.31 33.04,49.82 35.4,49.82 36.57,48.65 37.55,48.65 38.45,47.76 38.45,46.04 39.55,44.93 U14.6